# Altium PCB PS29_XYD.PCBDOC (part 2 of 3)
Units mm, origin at the board's own origin, x right, y up, seen from the top; angles counter-clockwise.
Board outline 221.69 x 138.99 mm, 2 copper layers (Top Layer, Bottom Layer); 241 components, 174 nets, 760 pads, 820 vias.
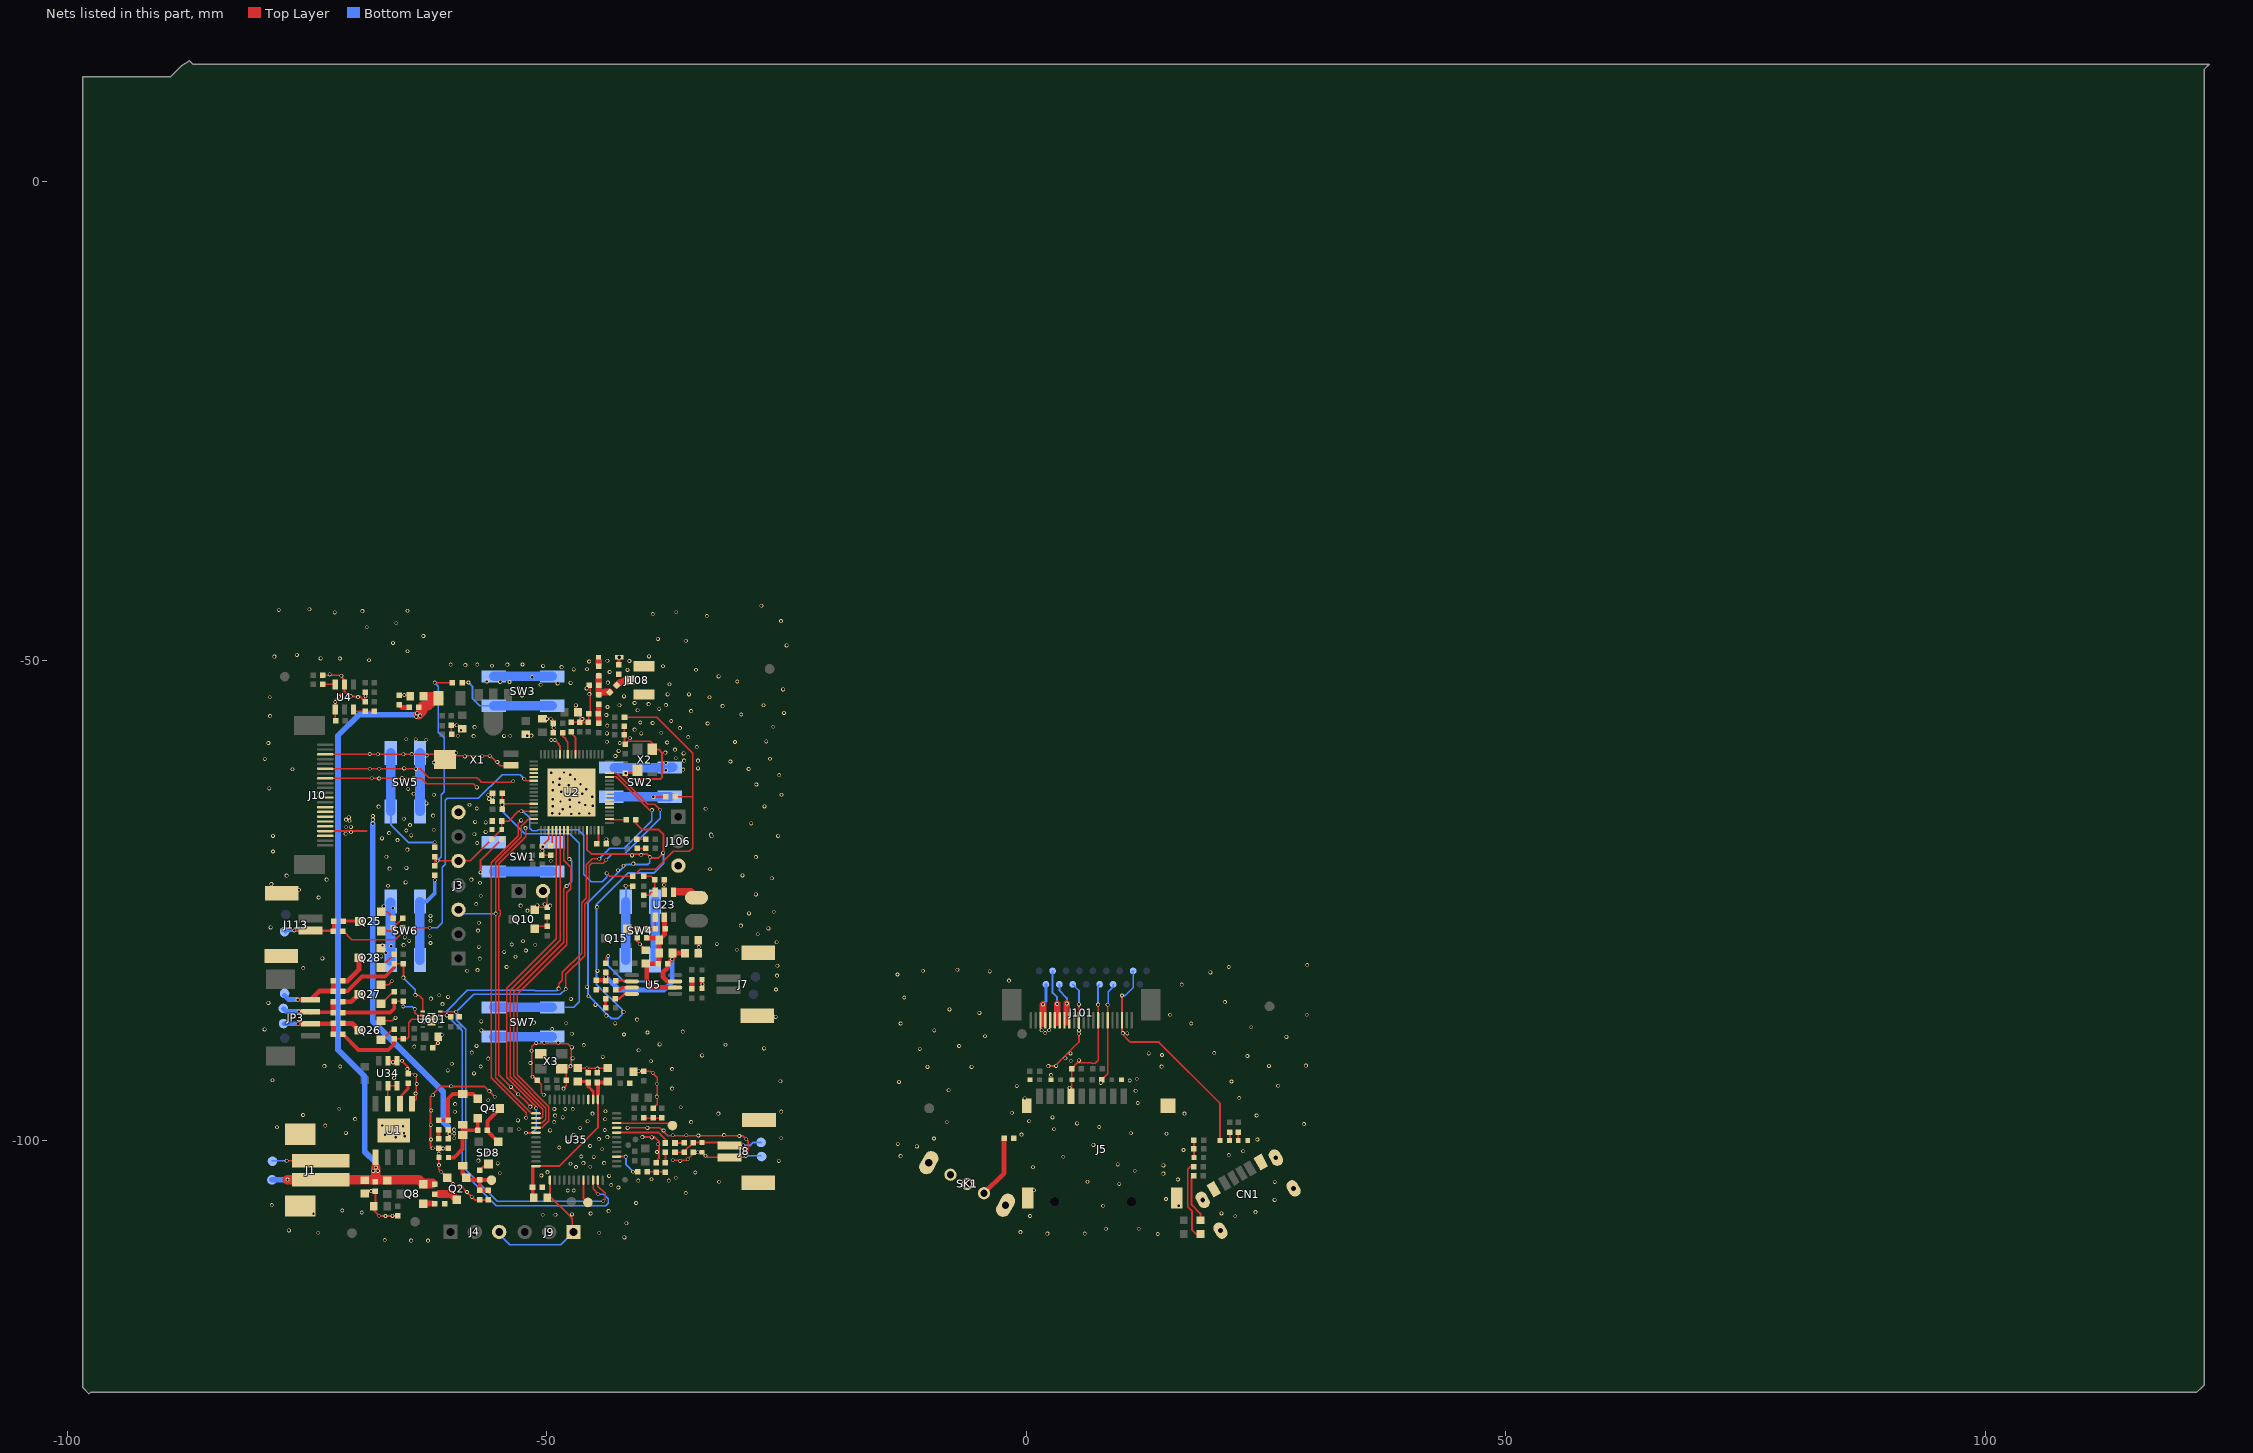
[diagram p2: the nets of this part, all layers, seen from the top]

## Via types
v1: diameter 0.4, hole 0.25, Top Layer to Bottom Layer, 820 vias

## Nets (pads, with @x,y where several pads share a name; then routed paths per layer and width w, separated by ;. In a path a pad name is that pad's centre, name@x,y a point inside that pad or via, vN(x,y) a via of type N, cw(c..) or ccw(c..) an arc to the next point about the centre after c; other vN are vias at no path point) (continued)
GND: C3.1 C4.2 C5.1 C6.1 C8.2 C12.1 C13.2 C14.2 C15.1 C16.2 C20.2 C21.2 C22.1 C26.2 C28.1 C29.1 C31.1 C32.2 C38.2 C39.1 C53.1 C107.1 C108.2 C109.2 C119.2 C120.2 C121.2 C132.1 C133.1 C139.2 C166.1 C167.1 C168.1 C175.1 C180.2 C181.2 C204.1 C206.1 C207.2 C215.2 C249.2 C253.2 C254.2 C256.2 C301.1 C302.2 C402.2 C403.2 D6.2 ESD5.2 FB3.2 FB4.1 J1.0 J1.2 J3.7 J4.3 J7.3 J7.4 J8.1 J8.3 J8.4 J9.1 J10.3 J10.4 J10.5 J10.11 J10.15 J10.17 J10.20 J18.2 J106.3 J108.2 J108.3 J113.3 J113.4 L6.1 pad.1 Q2.2 Q10.2 Q15.2 Q25.2 Q26.2 Q27.2 Q28.2 R8.1 R15.1 R29.2 R57.1 R200.1 R201.1 R202.2 R273.2 R274.1 R277.1 R337.2 SW1.1 SW1.2 SW2.1 SW2.2 SW3.1 SW3.2 SW4.1 SW4.2 SW5.1 SW5.2 SW6.1 SW6.2 SW7.1 SW7.2 TP3.1 U1.1 U1.3 U1.9 U2.37 U2.47 U2.69 U4.2 U4.4 U23.2 U34.1 U34.2 U34.5 U34.6 U35.16 U35.37 U601.11 V4.2 V5.2 V12.2 V13.2 V16.2 X1.1 X1.3 X2.2 X2.4 X3.2 X3.4 | length 396.1
  Top Layer w0.15: v1@-77.139,-102.125 -77.112,-102.125 J1.2@-73.54,-102.125 ; J10.15@-73.093,-62.27 v1(-68.242,-62.27) -67.477,-62.27 -65.092,-62.27 -63.892,-62.27 -63.094,-62.27 -62.512,-62.852 -57.652,-62.852 v1(-57.282,-63.222) ; J10.17@-73.093,-61.27 -68.442,-61.27 v1(-67.462,-61.27) -64.862,-61.27 -63.642,-61.27 -63.204,-61.27 -62.282,-62.192 -57.288,-62.192 -56.983,-62.497 -56.817,-62.662 -53.692,-62.662 -53.547,-62.516 v1@-53.522,-62.492 ; J10.20@-73.093,-59.77 -68.452,-59.77 v1(-67.602,-59.77) v1(-64.942,-59.77) -64.077,-59.77 -62.502,-59.77 -61.194,-59.77 -60.632,-60.332 X1.3@-60.622,-60.342 ; C32.2@-72.041,-56.224 U4.4@-72.041,-55.101 ; Q26.2@-67.278,-87.532 -66.092,-87.532 -65.787,-87.227 v1@-65.742,-87.182 ; Q27.2@-67.278,-83.775 -66.486,-83.775 -66.147,-83.437 v1@-66.132,-83.422 ; Q25.2@-67.258,-76.195 -66.642,-76.195 R273.2@-65.981,-76.856 ; U1.3@-66.576,-96.185 -66.576,-94.345 U34.5@-66.552,-94.322 U34.6@-65.602,-94.322 ; U34.2@-66.552,-91.722 -66.022,-91.722 U34.1@-65.602,-91.722 -65.142,-91.722 -65.122,-91.742 -64.452,-92.412 -64.452,-92.572 R8.1@-64.452,-93.061 -63.853,-93.061 v1(-63.692,-93.222) -63.602,-93.312 -63.602,-94.142 -63.602,-95.132 -63.602,-95.751 U1.1@-64.036,-96.185 ; C254.2@-61.866,-90.338 -61.361,-89.833 -61.31,-89.783 C253.2@-61.31,-89.221 ; X1.3@-60.202,-59.922 -58.532,-59.922 -57.602,-59.922 ; C249.2@-59.986,-56.744 C249.2@-59.946,-56.744 ; R29.2@-59.946,-57.667 C249.2@-59.946,-56.744 ; C29.1@-58.818,-57.1 -59.174,-56.744 -59.392,-56.744 C249.2@-59.946,-56.744 ; v1@-58.512,-59.922 -57.602,-59.922 ; V13.2@-55.653,-64.682 v1(-55.653,-64.252) C175.1@-55.653,-63.832 ; X1.1@-53.722,-60.942 -54.862,-60.942 -55.187,-60.617 -55.882,-59.922 -55.932,-59.922 -56.732,-59.922 -57.602,-59.922 ; v1@-52.692,-66.652 -52.992,-66.952 -52.992,-68.282 -54.979,-70.268 -54.981,-70.268 -55.772,-71.059 -55.772,-93.506 -52.152,-97.126 v1(-52.152,-97.652) ; v1@-52.212,-67.452 v1(-52.212,-67.461) -52.212,-68.383 -54.992,-71.163 -54.992,-75.962 -54.852,-76.102 -54.852,-76.572 -54.992,-76.712 -54.992,-93.182 v1(-53.734,-94.44) -52.97,-95.204 -52.212,-95.962 ; -52.117,-96.057 -52.212,-95.962 ; v1@-51.702,-96.472 -52.212,-95.962 ; Q10.2@-50.98,-75.721 -50.977,-75.721 R337.2@-49.942,-75.721 -49.942,-74.472 J18.2@-50.392,-74.022 ; C53.1@-50.512,-70.272 C53.1@-50.452,-70.272 ; C121.2@-50.436,-56.055 -49.972,-56.055 v1(-49.572,-56.055) -49.489,-56.055 -49.311,-56.233 C207.2@-49.311,-56.552 -49.311,-56.982 C120.2@-49.311,-57.517 ; v1@-50.292,-95.292 -50.307,-95.277 -50.552,-95.032 -50.552,-94.172 C133.1@-50.987,-93.738 -51.413,-93.312 -51.572,-93.152 -51.572,-91.952 -51.572,-90.672 -51.572,-90.262 -51.262,-89.952 -51.092,-89.952 -50.252,-89.952 -48.782,-89.952 -47.822,-89.952 -47.442,-90.332 -47.442,-91.472 -47.442,-92.192 v1(-47.522,-92.272) -47.782,-92.531 X3.4@-48.422,-92.531 -47.955,-92.998 C132.1@-47.955,-93.738 -47.955,-94.324 v1(-48.252,-94.622) ; U2.37@-49.809,-67.677 -49.809,-68.634 -50.452,-69.278 -50.452,-69.352 -50.452,-69.392 v1(-50.452,-69.832) C53.1@-50.452,-70.272 ; C22.1@-49.575,-70.272 C53.1@-50.452,-70.272 ; C109.2@-47.439,-56.407 C108.2@-46.545,-56.407 ; C402.2@-46.778,-92.479 -45.832,-92.479 -44.722,-92.479 C302.2@-43.629,-92.479 ; C26.2@-46.739,-55.384 -46.545,-55.578 -46.545,-56.092 C108.2@-46.545,-56.407 ; C108.2@-46.545,-56.42 C108.2@-46.545,-56.407 ; C16.2@-45.694,-56.407 C108.2@-46.545,-56.407 ; C16.2@-45.613,-56.351 C21.2@-45.613,-55.538 -45.457,-55.382 -45.457,-53.492 -45.457,-52.648 C20.2@-45.562,-52.544 ; -41.909,-58.022 C13.2@-41.909,-57.72 C14.2@-41.909,-56.857 ; v1(-41.562,-98.712) v1(-39.502,-98.712) -38.192,-98.712 -37.862,-99.042 -37.367,-99.537 -36.862,-99.537 -35.462,-99.537 -34.182,-99.537 -31.502,-99.537 -29.912,-99.537 -29.557,-99.537 v1(-29.192,-99.902) -29.002,-100.092 -29.002,-101.342 -29.272,-101.612 -29.456,-101.795 J8.1@-30.937,-101.795 -33.278,-101.795 v1(-33.452,-101.622) ESD5.2@-33.824,-101.248 -34.272,-101.248 C256.2@-34.739,-101.248 -34.739,-101.408 -35.307,-101.977 -35.402,-102.072 -36.082,-102.072 -36.862,-102.072 v1@-36.872,-102.072 ; C180.2@-40.948,-92.874 -40.392,-92.874 -39.979,-92.874 FB4.1@-39.967,-92.886 ; FB4.1@-39.872,-92.791 -39.183,-92.791 -38.972,-93.002 -38.472,-93.502 -38.472,-94.122 -38.472,-95.452 -38.472,-96.23 R57.1@-38.904,-96.662
  Top Layer w0.2: C215.2@-73.355,-51.523 -72.622,-51.523 -71.561,-51.523 -71.457,-51.627 -71.091,-51.993 U4.2@-71.091,-52.501 -71.091,-53.18 ; J10.4@-73.093,-67.77 -70.972,-67.77 -70.402,-67.77 -68.784,-67.77 ; U4.4@-72.041,-55.101 v1(-72.042,-54.312) -72.041,-54.13 v1(-71.662,-53.752) -71.091,-53.18 ; C119.2@-68.927,-53.29 -68.927,-53.722 R200.1@-68.927,-54.271 -69.436,-53.762 -69.672,-53.762 -70.432,-53.762 -70.51,-53.762 -71.091,-53.18 ; C6.1@-68.755,-105.34 -68.322,-105.34 C5.1@-67.86,-105.34 C3.1@-67.86,-106.719 ; C3.1@-68.032,-106.892 -68.032,-107.322 -67.467,-107.887 -67.462,-107.892 -66.812,-107.892 v1(-66.082,-107.892) C4.2@-65.552,-107.892 ; C8.2@-65.371,-53.613 -64.852,-53.613 C39.1@-64.336,-53.613 ; R15.1@-60.291,-100.842 -60.802,-100.842 R201.1@-61.256,-100.842 ; R202.2@-56.076,-106.227 C107.1@-56.989,-106.227 -57.507,-106.227 v1(-57.824,-105.91) -58.322,-105.412 -58.932,-104.802 -58.952,-104.782 -58.982,-104.782 -59.509,-104.782 -59.736,-104.555 Q2.2@-60.386,-103.905 v1(-60.997,-103.294) -61.256,-103.034 -61.256,-102.602 -61.256,-101.802 v1(-61.256,-101.382) R201.1@-61.256,-100.842 ; v1@-55.392,-95.502 -55.417,-95.477 -55.992,-94.902 -56.512,-94.382 -59.972,-94.382 -61.032,-94.382 -61.917,-95.267 -62.102,-95.452 -62.102,-96.902 -62.102,-98.402 -62.102,-99.922 -62.102,-100.692 -61.952,-100.842 v1(-61.892,-100.842) R201.1@-61.256,-100.842 ; U35.37@-49.668,-104.156 -49.668,-105.846 -47.572,-107.942 -47.337,-108.177 J9.1@-47.337,-109.282 ; U2.47@-45.809,-67.677 -45.809,-69.714 -45.361,-70.162 -41.112,-70.162 -40.142,-70.162 -39.592,-70.162 v1@-39.282,-70.472 ; C15.1@-43.792,-69.103 -43.792,-69.1 v1@-43.792,-68.702 ; C28.1@-41.909,-58.617 -41.909,-58.022 ; C28.1@-41.82,-58.706 -41.521,-58.406 -39.188,-58.406 -38.982,-58.612 X2.4@-38.982,-59.256 -38.328,-59.256 -37.992,-59.592 -37.992,-62.172 -38.182,-62.362 -41.462,-62.362 -41.82,-62.004 -41.82,-61.762 C31.1@-41.82,-61.738 -41.742,-61.738 X2.2@-40.814,-61.738 ; Q15.2@-41.546,-77.939 -40.573,-77.939 R274.1@-40.573,-77.979 -40.573,-78.432 C168.1@-40.573,-78.904 -40.573,-79.279 v1(-40.282,-79.572) C167.1@-39.666,-80.185 ; C12.1@-40.711,-66.572 -40.711,-66.943 -40.032,-67.622 -38.332,-67.622 -37.832,-68.122 -37.832,-70.042 -37.832,-70.072 -37.837,-70.077 -38.322,-70.562 -39.152,-70.562 v1@-39.247,-70.467 ; v1(-40.032,-99.672) -39.032,-99.672 -38.762,-99.672 -38.312,-100.122 -38.312,-100.422 -38.312,-101.232 -38.312,-101.891 C204.1@-38.6,-102.178 ; U23.2@-37.744,-74.142 -37.744,-73.372 R277.1@-37.744,-72.859 ; FB3.2@-34.191,-80.479 -34.191,-79.872 C166.1@-34.191,-79.147 C166.1@-34.191,-79.107
  Top Layer w0.4: V5.2@-33.818,-84.184 -33.818,-83.752 V4.2@-33.818,-83.257
  Bottom Layer w0.15: pad.1@-78.672,-102.142 -78.592,-102.142 v1(-77.112,-102.142) ; J4.3@-54.957,-109.562 -54.957,-109.787 -53.862,-110.882 -48.516,-110.882 J9.1@-47.207,-109.572 ; v1(-29.252,-101.632) TP3.1@-27.642,-101.632
  Bottom Layer w0.2: v1(-39.262,-70.482) -39.262,-71.052 -39.452,-71.242 -40.962,-71.242 -41.712,-71.242 -41.922,-71.452 -42.447,-71.977 -45.682,-75.212 -45.682,-84.022 -45.682,-84.892 -45.612,-84.962 -44.797,-85.777 -43.672,-86.902 -43.282,-87.292 -42.562,-87.292 -42.142,-86.872 -42.142,-86.602 -42.142,-86.422 -44.832,-83.732 -44.832,-82.352 -44.832,-75.702 -44.832,-75.462 -41.502,-72.132 -38.812,-72.132 -37.812,-71.132 v1@-37.812,-70.062
  Bottom Layer w1: SW6.1@-66.286,-81.273 -66.286,-81.215 -66.286,-80.452 -66.286,-79.762 -66.286,-75.816 SW6.2@-66.286,-75.177 ; SW5.2@-63.208,-65.726 -63.208,-64.892 -63.208,-63.882 -63.208,-62.292 -63.208,-61.292 SW5.1@-63.208,-59.63 ; SW7.2@-55.53,-89.202 -51.092,-89.202 -50.252,-89.202 SW7.1@-49.434,-89.202 ; SW3.1@-55.524,-51.648 -54.862,-51.648 -53.877,-51.648 -51.502,-51.648 -49.434,-51.648 SW3.2@-49.428,-51.648 ; SW2.1@-42.962,-61.172 -41.742,-61.172 -37.577,-61.172 SW2.2@-37.192,-61.172 ; SW4.2@-38.696,-81.143 -38.696,-75.13 SW4.1@-38.696,-75.047 ; SW2.2@-37.184,-61.118 SW2.2@-36.858,-61.118
  other v1: -64.142,-110.462 -62.377,-110.462 -66.892,-110.416 -41.902,-110.132 -73.812,-109.652 -44.532,-109.652 -76.877,-109.402 -41.692,-108.662 -67.462,-107.882 -66.812,-107.902 -50.412,-107.772 -49.102,-107.772 -47.362,-107.732 -74.312,-107.662 -45.422,-107.642 -69.277,-107.542 -43.552,-107.392 -71.322,-107.332 -78.662,-106.772 -40.677,-106.552 -35.502,-105.516 -58.312,-105.402 -68.322,-105.312 -47.802,-105.242 -47.177,-105.242 -42.532,-104.932 -58.982,-104.852 -43.277,-104.682 -59.752,-104.572 -32.022,-104.332 -40.462,-104.216 -37.282,-104.216 -39.077,-104.072 -36.552,-103.916 -43.502,-103.716 -50.552,-103.682 -54.902,-103.452 -34.522,-103.372 -49.922,-103.332 -46.952,-102.802 -45.462,-102.762 -61.232,-102.602 -47.522,-102.452 -55.102,-102.422 -46.177,-102.392 -44.022,-102.392 -36.082,-102.152 -25.802,-102.152 -57.122,-102.132 -36.862,-102.082 -35.292,-101.992 -45.102,-101.742 -46.392,-101.702 -55.242,-101.416 -56.062,-101.342 -34.272,-101.262 -38.502,-101.232 -44.212,-100.942 -60.802,-100.862 -48.702,-100.762 -45.477,-100.602 -38.422,-100.422 -47.832,-100.182 -62.062,-99.922 -44.562,-99.892 -25.552,-99.792 -65.742,-99.702 -39.032,-99.712 -43.677,-99.672 -64.812,-99.592 -29.912,-99.562 -34.182,-99.512 -36.862,-99.492 -35.462,-99.492 -31.502,-99.472 -47.192,-99.452 -66.862,-99.432 -64.882,-99.262 -70.932,-99.232 -37.812,-98.992 -49.652,-98.982 -43.942,-98.932 -52.922,-98.862 -46.502,-98.716 -78.122,-98.652 -64.982,-98.532 -73.082,-98.482 -67.142,-98.462 -62.092,-98.402 -49.212,-98.116 -34.942,-98.116 -45.732,-98.016 -53.002,-97.932 -69.977,-97.802 -43.912,-97.816 -48.332,-97.616 -49.122,-97.442 -75.402,-97.372 -45.232,-97.232 -32.102,-97.232 -59.577,-97.042 -25.552,-97.016 -43.877,-96.982 -62.032,-96.902 -48.077,-96.752 -47.292,-96.762 -49.202,-96.742 -71.632,-96.722 -56.052,-96.702 -36.032,-96.562 -51.702,-96.492 -59.552,-96.242 -56.092,-95.832 -55.412,-95.472 -38.522,-95.452 -61.862,-95.322 -50.292,-95.262 -52.982,-95.216 -63.672,-95.132 -55.972,-94.882 -36.922,-94.616 -59.972,-94.372 -63.542,-94.142 -38.522,-94.122 -25.642,-93.852 -78.592,-93.742 -65.922,-93.532 -51.482,-93.382 -57.577,-93.032 -38.942,-92.972 -40.392,-92.812 -60.312,-92.716 -36.922,-92.592 -64.532,-92.572 -44.722,-92.532 -45.832,-92.502 -71.532,-92.316 -56.877,-92.312 -73.177,-92.272 -59.892,-92.032 -51.702,-91.952 -66.022,-91.882 -39.142,-91.762 -65.092,-91.712 -56.102,-91.492 -47.302,-91.472 -44.152,-91.316 -33.802,-91.152 -57.812,-90.862 -51.592,-90.672 -40.422,-90.616 -27.332,-90.432 -47.372,-90.322 -63.812,-90.242 -57.322,-90.162 -46.142,-90.082 -31.362,-90.052 -38.232,-90.016 -61.332,-89.862 -51.092,-89.862 -50.252,-89.832 -48.782,-89.822 -60.892,-89.002 -41.942,-88.982 -47.377,-88.902 -39.492,-88.772 -35.822,-88.682 -68.222,-88.632 -56.812,-88.552 -79.412,-88.452 -49.432,-88.402 -42.852,-87.816 -47.962,-87.802 -51.342,-87.742 -56.832,-87.616 -62.102,-87.592 -40.577,-87.432 -65.762,-87.252 -26.142,-87.142 -43.782,-87.012 -62.092,-86.992 -41.982,-86.602 -44.912,-85.892 -60.862,-85.816 -79.012,-85.682 -47.477,-85.272 -62.077,-85.242 -60.277,-85.062 -45.642,-84.992 -61.212,-84.882 -26.102,-84.292 -45.812,-84.022 -33.762,-83.752 -66.162,-83.422 -25.992,-82.842 -44.702,-82.352 -58.302,-82.342 -57.212,-82.272 -75.377,-82.062 -54.177,-81.942 -25.952,-81.816 -56.977,-81.072 -73.392,-81.042 -53.252,-80.882 -67.252,-80.832 -66.792,-80.452 -54.432,-80.372 -52.177,-80.222 -30.192,-80.152 -34.152,-79.872 -57.092,-79.842 -66.202,-79.762 -67.122,-79.702 -64.922,-79.662 -51.192,-79.616 -53.642,-79.602 -32.277,-79.532 -62.112,-79.442 -26.032,-79.362 -52.477,-79.252 -64.332,-79.216 -64.802,-78.852 -62.202,-78.742 -27.992,-78.532 -40.582,-78.432 -57.162,-78.152 -26.892,-77.916 -78.782,-77.816 -29.762,-77.632 -57.077,-77.322 -62.112,-77.116 -62.112,-76.616 -28.912,-76.352 -26.332,-76.182 -52.002,-76.062 -66.032,-75.816 -44.742,-75.702 -67.002,-75.616 -52.722,-75.542 -49.642,-75.542 -50.977,-75.502 -50.222,-75.402 -57.342,-75.382 -73.777,-74.702 -56.872,-74.516 -28.192,-74.372 -75.822,-73.892 -66.552,-73.472 -37.762,-73.372 -78.702,-73.302 -56.952,-73.162 -64.712,-73.116 -72.942,-72.832 -57.852,-72.832 -26.522,-72.692 -77.112,-72.416 -29.592,-72.392 -42.572,-71.852 -32.977,-71.752 -66.377,-71.682 -64.632,-71.616 -41.992,-71.382 -40.962,-71.162 -49.577,-70.872 -28.192,-70.492 -66.712,-70.442 -41.112,-70.312 -40.142,-70.272 -37.872,-70.042 -78.532,-69.902 -64.522,-69.702 -50.422,-69.392 -57.242,-69.016 -65.562,-68.716 -43.782,-68.642 -67.177,-68.532 -32.812,-68.292 -78.532,-68.272 -25.877,-68.272 -64.132,-68.216 -32.862,-68.142 -57.542,-68.102 -70.972,-68.052 -66.432,-67.982 -70.402,-67.892 -56.377,-67.852 -64.642,-67.716 -61.777,-67.642 -70.902,-67.372 -70.412,-67.342 -64.252,-67.152 -28.677,-66.972 -56.362,-66.872 -57.472,-66.816 -52.672,-66.662 -64.892,-66.482 -61.842,-66.162 -47.432,-65.992 -48.672,-65.952 -46.592,-65.942 -45.572,-65.942 -49.422,-65.932 -48.342,-65.482 -33.432,-65.452 -57.292,-65.416 -67.522,-65.216 -47.572,-65.222 -49.362,-65.182 -27.292,-65.202 -45.212,-65.122 -58.052,-65.032 -46.002,-65.052 -62.532,-64.892 -46.602,-64.792 -48.562,-64.692 -47.582,-64.502 -49.382,-64.442 -56.022,-64.416 -45.272,-64.192 -61.762,-63.992 -56.092,-64.002 -25.522,-63.982 -47.322,-63.902 -46.282,-63.892 -63.877,-63.882 -48.502,-63.672 -49.372,-63.512 -45.882,-63.422 -64.432,-63.372 -78.922,-63.316 -47.702,-62.992 -48.682,-62.962 -28.142,-62.916 -46.482,-62.892 -49.342,-62.672 -53.492,-62.571 -47.052,-62.352 -48.652,-62.332 -67.477,-62.292 -63.892,-62.292 -65.092,-62.232 -25.762,-61.942 -47.542,-61.892 -41.742,-61.762 -49.532,-61.702 -48.202,-61.662 -37.577,-61.442 -35.762,-61.362 -76.502,-61.332 -28.952,-61.302 -68.442,-61.282 -63.642,-61.292 -64.862,-61.242 -34.232,-61.242 -37.577,-60.642 -61.777,-60.622 -55.142,-60.572 -30.852,-60.516 -34.232,-60.432 -35.677,-60.422 -79.402,-60.252 -26.722,-60.232 -36.552,-60.172 -58.532,-59.992 -56.732,-59.972 -55.932,-59.932 -42.842,-59.942 -62.502,-59.892 -64.077,-59.752 -68.452,-59.732 -35.732,-59.672 -59.442,-59.602 -37.632,-59.592 -42.502,-59.416 -36.622,-59.282 -34.352,-59.016 -79.012,-58.592 -42.392,-58.592 -37.452,-58.542 -30.377,-58.482 -43.732,-58.452 -27.112,-58.416 -62.552,-58.252 -63.662,-58.216 -64.642,-58.192 -41.332,-58.092 -35.242,-57.972 -57.622,-57.872 -54.442,-57.852 -59.277,-57.832 -53.802,-57.832 -43.732,-57.592 -40.152,-57.592 -38.052,-57.516 -58.942,-57.252 -40.842,-57.192 -36.112,-57.032 -49.282,-56.982 -57.512,-56.932 -26.377,-56.902 -43.692,-56.772 -59.392,-56.732 -33.222,-56.552 -38.962,-56.502 -40.242,-56.452 -37.022,-56.292 -46.277,-56.092 -49.972,-56.082 -78.842,-55.782 -43.777,-55.672 -29.722,-55.616 -25.262,-55.452 -34.942,-55.262 -40.522,-55.172 -38.262,-55.032 -43.662,-54.832 -31.662,-54.742 -46.962,-54.672 -42.422,-54.652 -37.577,-54.642 -27.402,-54.662 -39.377,-54.532 -40.842,-54.416 -78.882,-53.816 -69.672,-53.802 -33.032,-53.816 -41.942,-53.732 -70.432,-53.702 -68.892,-53.722 -52.577,-53.632 -64.852,-53.582 -37.402,-53.516 -35.162,-53.516 -45.552,-53.492 -25.352,-53.002 -45.842,-52.892 -53.012,-52.862 -50.632,-52.516 -37.202,-52.462 -48.862,-52.372 -47.512,-52.322 -43.622,-52.292 -53.877,-52.232 -54.862,-52.216 -56.232,-52.182 -30.132,-52.182 -51.502,-51.716 -32.077,-51.642 -71.402,-51.572 -72.622,-51.432 -43.442,-51.192 -41.577,-50.972 -34.442,-50.952 -47.177,-50.922 -45.802,-50.902 -48.452,-50.682 -37.877,-50.592 -50.377,-50.552 -55.702,-50.532 -58.477,-50.472 -60.012,-50.416 -57.242,-50.416 -54.102,-50.416 -52.522,-50.402 -45.577,-50.092 -41.377,-50.042 -43.677,-50.012 -68.532,-49.962 -73.577,-49.772 -71.562,-49.782 -78.392,-49.582 -39.342,-49.562 -76.052,-49.402 -64.512,-49.032 -24.992,-48.416 -66.022,-48.152 -35.492,-47.932 -38.412,-47.742 -62.852,-47.432 -68.762,-46.516 -65.692,-46.102 -25.577,-45.882 -33.322,-45.362 -38.952,-45.152 -72.092,-44.972 -36.492,-44.952 -69.212,-44.842 -64.512,-44.802 -77.932,-44.716 -74.742,-44.652 -27.622,-44.282
GND1: C1.2 C2.2 C25.1 C27.2 CN1.A0 CN1.A12 CN1.B12 D5.2 D8.2 D9.2 D10.2 J5.6 J5.10 J5.11 J5.12 J5.13 J101.3 J101.4 J101.5 J101.11 J101.15 J101.17 J101.20 pad.15 pad.19 pad.20 pad.23 pad.28 R23.2 SK1. V1.2 V2.2 V3.2 | length 65.7
  Top Layer w0.15: C27.2@4.743,-92.777 4.743,-92.567 C27.2@4.763,-92.547 ; C27.2@4.743,-92.527 5.32,-91.95 6.771,-91.95 6.776,-91.955 7.195,-91.955 7.48,-91.67 J101.15@7.48,-87.504 v1(7.48,-85.869) ; C25.1@7.877,-93.691 8.48,-93.089 J101.17@8.48,-87.504 v1(8.48,-85.883)